# KiCad board J46Kx_Kicad.kicad_pcb
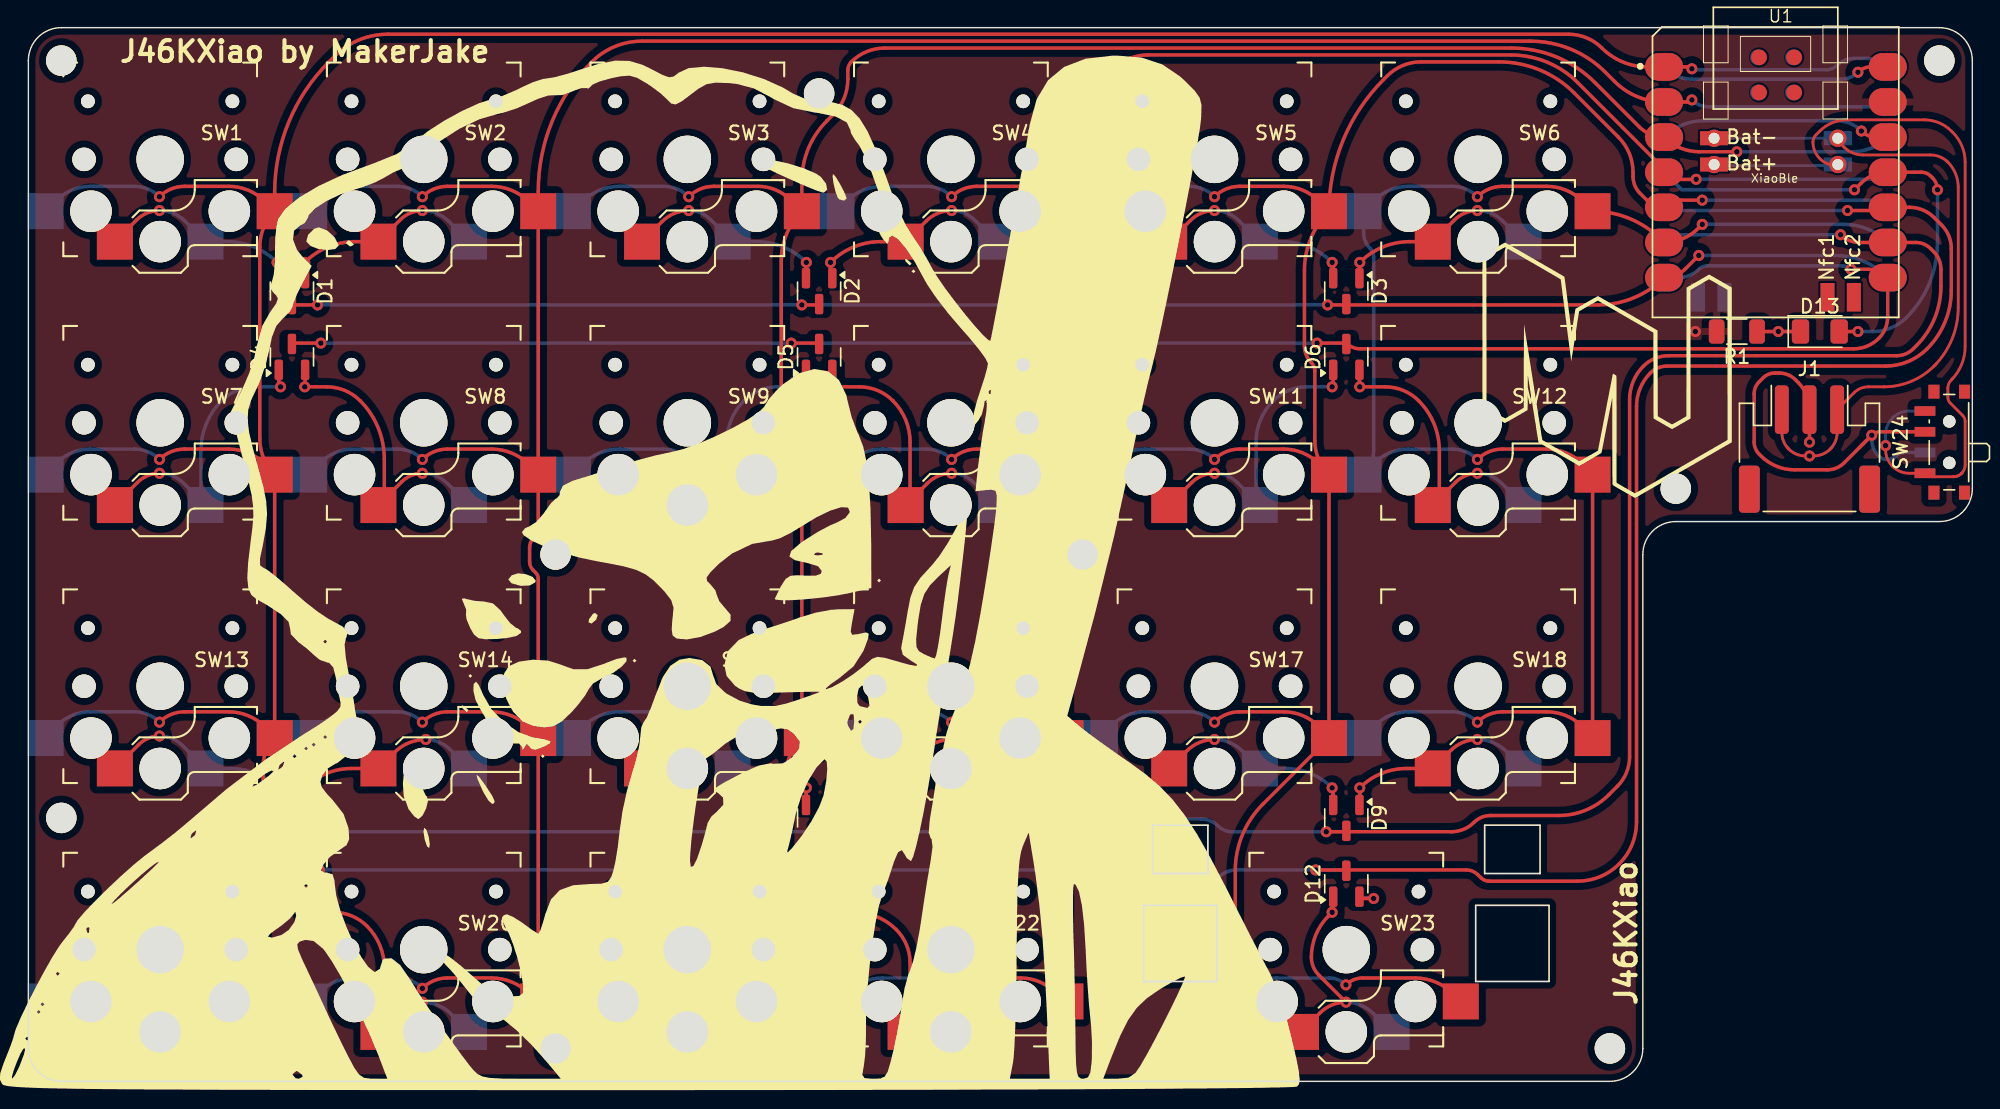
[diagram p0: board, top side]
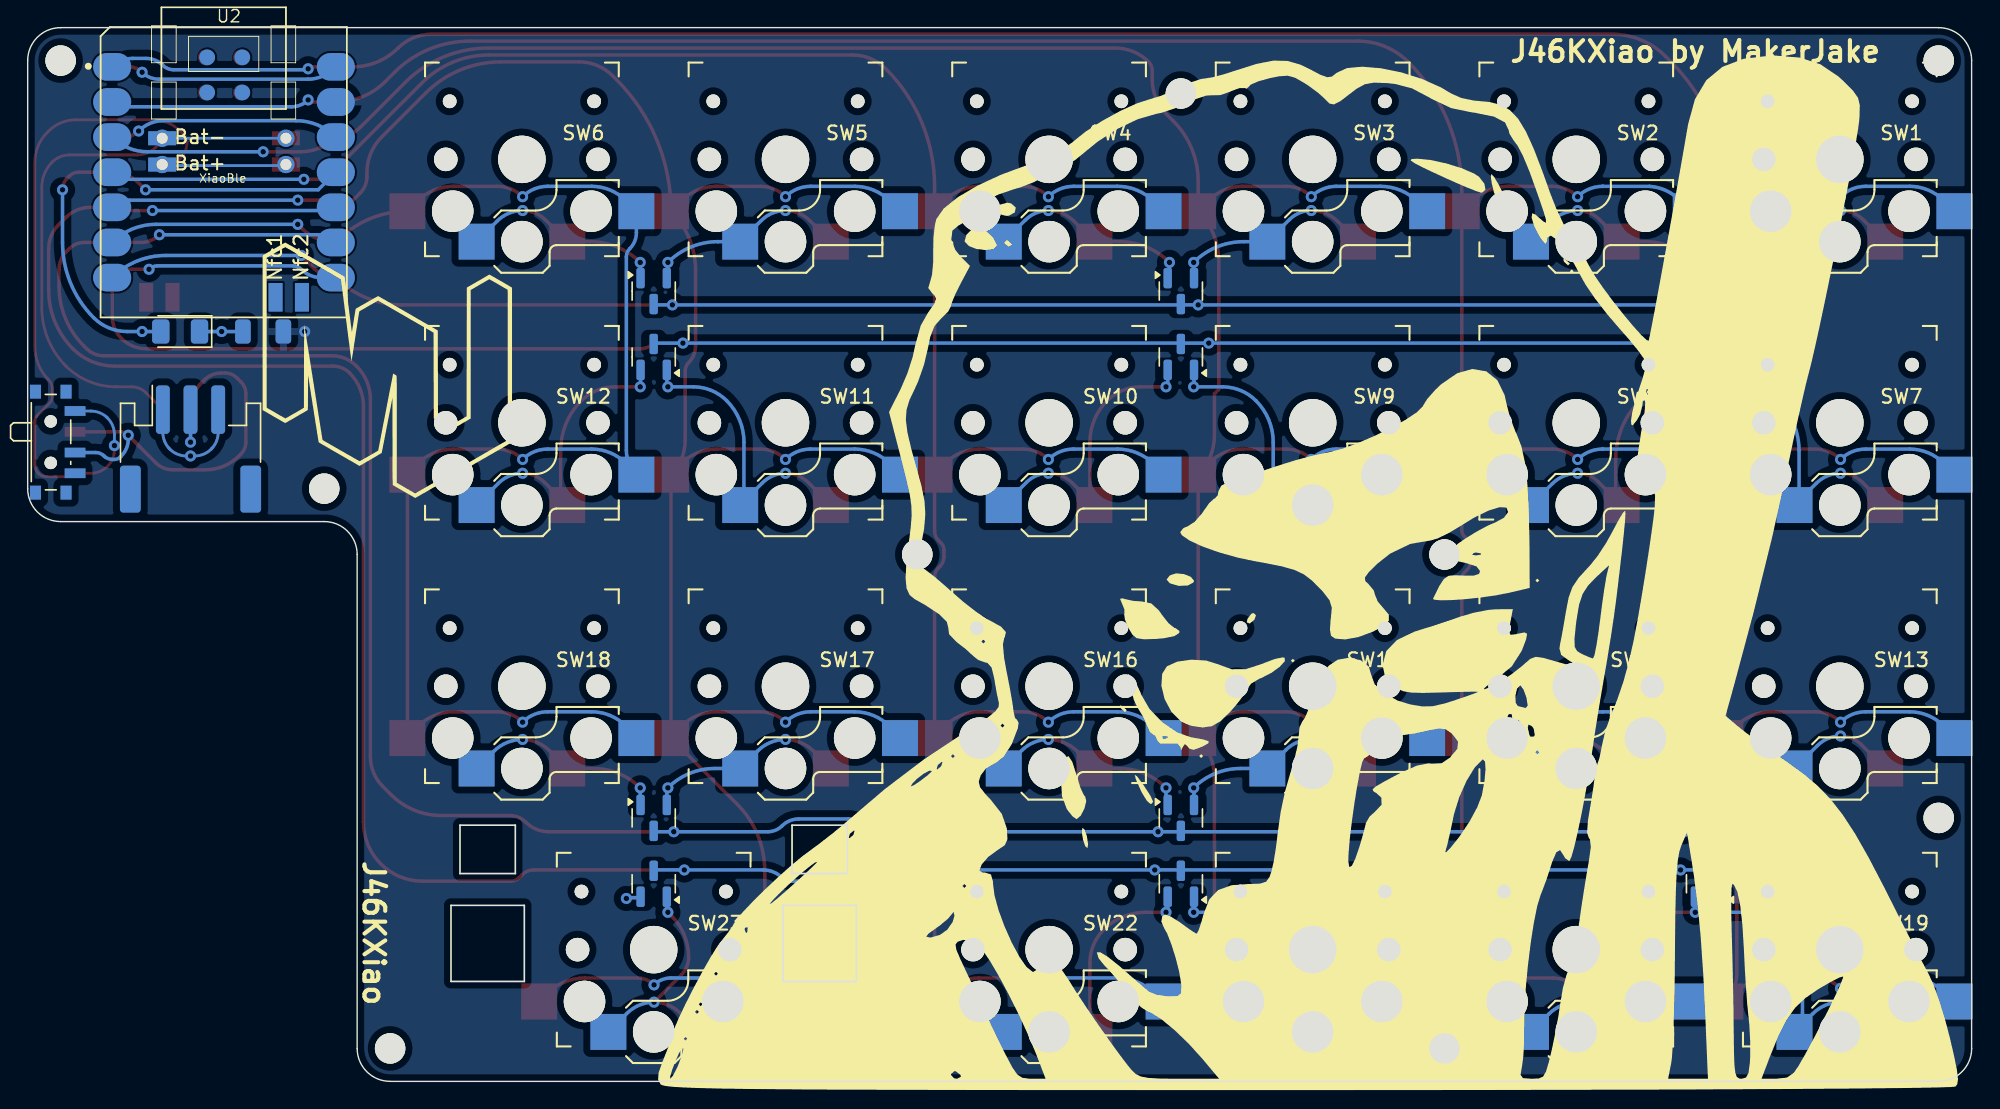
[diagram p1: board, bottom side, seen from below]

Outline 140.49 x 76.2 mm; copper layers: Top, Bottom. Coordinates in mm from the lower left corner of the outline.
Outline path: 0,73.82 0,2.38 arc(0.7,0.7) 2.38,0 114.3,0 arc(115.98,0.7) 116.68,2.38 116.68,38.1 arc(117.38,39.78) 119.06,40.48 138.11,40.48 arc(139.8,41.18) 140.49,42.86 140.49,73.82 arc(139.8,75.5) 138.11,76.2 2.38,76.2 arc(0.7,75.5) 0,73.82
Stack: Top 0.035mm / dielectric 1.51mm FR4 er 4.5 / Bottom 0.035mm

## Placement (name value [footprint] x y rotation side)
D1  BAV70  [SOT-23_Both_Sides]  19.05 57.15 270 top
D2  BAV70  [SOT-23_Both_Sides]  57.15 57.15 270 top
D3  BAV70  [SOT-23_Both_Sides]  95.25 57.15 270 top
D4  BAV70  [SOT-23_Both_Sides]  19.05 52.39 90 top
D5  BAV70  [SOT-23_Both_Sides]  57.15 52.39 90 top
D6  BAV70  [SOT-23_Both_Sides]  95.25 52.39 90 top
D7  BAV70  [SOT-23_Both_Sides]  19.05 19.05 270 top
D8  BAV70  [SOT-23_Both_Sides]  57.15 19.05 270 top
D9  BAV70  [SOT-23_Both_Sides]  95.25 19.05 270 top
D10  BAV70  [SOT-23_Both_Sides]  19.05 14.29 90 top
D11  BAV70  [SOT-23_Both_Sides]  57.15 14.29 90 top
D12  BAV70  [SOT-23_Both_Sides]  95.25 14.29 90 top
D13  LED  [LED_1206_3216Metric]  129.47 54.22 0 top
G***  LOGO  [NoliBat]  46.43 36.91 0 top
G***#2  LOGO  [MakerJakeLogo]  114.3 50.01 0 top
G***#3  LOGO  [NoliBat]  46.43 36.91 180 bottom
G***#4  LOGO  [MakerJakeLogo]  114.3 50.01 180 bottom
J1  Conn_01x03_Female  [JST_PH_S3B-PH-SM4-TB_1x03-1MP_P2.00mm_Horizontal]  128.72 45.72 0 top
Kailh PG1350  Choc  [Kailh-PG1350-2u-stab cutout]  95.25 9.52 0 top
R1  R_Small  [R_1206_3216Metric]  123.47 54.22 180 top
REF**  -  [MountingHole_2.2mm_M2_DIN965]  138.11 73.82 0 top
REF**#2  -  [MountingHole_2.2mm_M2_DIN965]  2.38 19.05 0 top
REF**#3  -  [MountingHole_2.2mm_M2_DIN965]  2.38 73.82 0 top
REF**#4  -  [MountingHole_2.2mm_M2_DIN965]  57.15 71.44 0 top
REF**#5  -  [MountingHole_2.2mm_M2_DIN965]  119.06 42.86 0 top
REF**#6  -  [MountingHole_2.2mm_M2_DIN965]  38.1 38.1 0 top
REF**#7  -  [MountingHole_2.2mm_M2_DIN965]  38.1 2.38 0 top
REF**#8  -  [MountingHole_2.2mm_M2_DIN965]  114.3 2.38 0 top
REF**#9  -  [MountingHole_2.2mm_M2_DIN965]  76.2 38.1 0 top
SW1  Switch_SW_Push  [Kailh_socket_PG1350_reversible]  9.53 66.67 0 top
SW2  Switch_SW_Push  [Kailh_socket_PG1350_reversible]  28.58 66.67 0 top
SW3  Switch_SW_Push  [Kailh_socket_PG1350_reversible]  47.62 66.67 0 top
SW4  Switch_SW_Push  [Kailh_socket_PG1350_reversible]  66.67 66.67 0 top
SW5  Switch_SW_Push  [Kailh_socket_PG1350_reversible]  85.72 66.67 0 top
SW6  Switch_SW_Push  [Kailh_socket_PG1350_reversible]  104.77 66.67 0 top
SW7  Switch_SW_Push  [Kailh_socket_PG1350_reversible]  9.53 47.62 0 top
SW8  Switch_SW_Push  [Kailh_socket_PG1350_reversible]  28.58 47.62 0 top
SW9  Switch_SW_Push  [Kailh_socket_PG1350_reversible]  47.62 47.62 0 top
SW10  Switch_SW_Push  [Kailh_socket_PG1350_reversible]  66.67 47.62 0 top
SW11  Switch_SW_Push  [Kailh_socket_PG1350_reversible]  85.72 47.62 0 top
SW12  Switch_SW_Push  [Kailh_socket_PG1350_reversible]  104.77 47.62 0 top
SW13  Switch_SW_Push  [Kailh_socket_PG1350_reversible]  9.53 28.57 0 top
SW14  Switch_SW_Push  [Kailh_socket_PG1350_reversible]  28.58 28.57 0 top
SW15  Switch_SW_Push  [Kailh_socket_PG1350_reversible]  47.62 28.57 0 top
SW16  Switch_SW_Push  [Kailh_socket_PG1350_reversible]  66.67 28.57 0 top
SW17  Switch_SW_Push  [Kailh_socket_PG1350_reversible]  85.72 28.57 0 top
SW18  Switch_SW_Push  [Kailh_socket_PG1350_reversible]  104.77 28.57 0 top
SW19  Switch_SW_Push  [Kailh_socket_PG1350_reversible]  9.53 9.52 0 top
SW20  Switch_SW_Push  [Kailh_socket_PG1350_reversible]  28.58 9.52 0 top
SW21  Switch_SW_Push  [Kailh_socket_PG1350_reversible]  47.62 9.52 0 top
SW22  Switch_SW_Push  [Kailh_socket_PG1350_reversible]  66.67 9.52 0 top
SW23  Switch_SW_Push  [Kailh_socket_PG1350_reversible]  95.25 9.52 0 top
SW24  SW_SPDT  [SW_SPDT_PCM12]  138.5 46.22 90 top
U1  XiaoBle  [XIAO_Ble]  126.21 65.72 0 top
U2  XiaoBle  [XIAO_Ble]  126.4 65.72 180 bottom

## Library data of the parts
D1-D12 = -: Datasheet: https://assets.nexperia.com/documents/data-sheet/BAV70_SER.pdf; ki_fp_filters: SOT?23*
D13 = -: ki_fp_filters: LED* LED_SMD:* LED_THT:*
J1 = -: ki_fp_filters: Connector*:*_1x??_*
R1 = -: ki_fp_filters: R_*

## Footprints (pads in the part's own frame, mm; a bottom-side part is the same pattern mirrored in y, then rotated)
JST_PH_S3B-PH-SM4-TB_1x03-1MP_P2.00mm_Horizontal
  rrect 1x3.5 smd: 1(-2,2.85) 2(0,2.85) 3(2,2.85)
  rrect 1x3.5 smd far side: 1(2,2.85) 2(0,2.85) 3(-2,2.85)
  rrect 1.5x3.4 smd: MP(-4.35,-2.9) MP(4.35,-2.9)
  rrect 1.5x3.4 smd far side: MP(-4.35,-2.9) MP(4.35,-2.9)
Kailh_socket_PG1350_reversible
  round 1.702 hole 1.702 unplated: (-5.5,0) (5.5,0)
  round 0.991 hole 0.991 unplated: (-5.22,4.2) (5.22,4.2)
  round 3 hole 3 unplated: (-5,-3.75) (0,-5.95) (5,-3.75)
  round 3.429 hole 3.429 unplated: (0,0)
  rect 2.6x2.6 smd: 1(-3.275,-5.95) 2(8.275,-3.75)
  rect 2.6x2.6 smd far side: 1(3.275,-5.95) 2(-8.275,-3.75)
LED_1206_3216Metric
  rrect 1.25x1.75 smd: 1(-1.4,0) 2(1.4,0)
  rrect 1.25x1.75 smd far side: 1(-1.4,0) 2(1.4,0)
MountingHole_2.2mm_M2_DIN965
  round 2.2 hole 2.2 unplated: (0,0)
R_1206_3216Metric
  rrect 1.125x1.75 smd: 1(-1.462,0) 2(1.462,0)
  rrect 1.125x1.75 smd far side: 1(-1.462,0) 2(1.462,0)
SOT-23_Both_Sides
  rrect 1.475x0.6 smd: 1(-0.938,0.95) 2(-0.938,-0.95) 3(0.938,0)
  rrect 1.475x0.6 smd far side: 1(-0.938,0.95) 2(-0.938,-0.95) 3(0.938,0)
SW_SPDT_PCM12
  rect 1x0.8 smd: (-3.65,0.78) (-3.65,-1.43) (3.65,0.78) (3.65,-1.43)
  rect 1x0.8 smd far side: (-3.65,0.78) (-3.65,-1.43) (3.65,0.78) (3.65,-1.43)
  round 0.9 hole 0.9 unplated: (-1.5,-0.33) (1.5,-0.33)
  rect 0.7x1.5 smd: 1(-2.25,1.43) 2(0.75,1.43) 3(2.25,1.43)
  rect 0.7x1.5 smd far side: 1(2.25,1.43) 2(-0.75,1.43) 3(-2.25,1.43)
XIAO_Ble
  oval 2.748x1.999 smd: 1(-7.992,7.64) 2(-7.992,5.1) 3(-7.992,2.56) 4(-7.992,0.02) 5(-7.992,-2.52) 6(-7.992,-5.06) 7(-7.992,-7.6) 8(8.172,7.64) 9(8.172,5.1) 10(8.172,2.56) 11(8.172,0.02) 12(8.172,-2.52) 13(8.172,-5.06) 14(8.172,-7.6)
  round 1.143 smd: 15(-1.126,5.787) 16(1.414,5.787) 17(-1.126,8.327) 18(1.414,8.327)
  rect 2.032x1.016 smd: 19(-4.375,2.478) 20(-4.375,0.578)
  round 1.25 hole 0.794: 19(-4.375,2.478) 20(-4.375,0.578)
  rect 1.016x2.064 smd: 21(3.82,-9.023) 22(5.725,-9.023)

## Nets
+3V3: U1.10 U2.10
+5V: U1.8 U2.8
GND: R1.2 U1.9 U2.9
Bat+: SW24.1 U1.20 U2.20
Bat-: J1.1 J1.3 U1.19 U2.19
Col0: SW1.2 SW7.2 SW13.2 SW19.2 U1.1 U2.1
Col1: SW2.2 SW8.2 SW14.2 SW20.2 U1.2 U2.2
Col2: SW3.2 SW9.2 SW15.2 SW21.2 U1.3 U2.3
Col3: SW4.2 SW10.2 SW16.2 SW22.2 U1.4 U2.4
Col4: SW5.2 SW11.2 SW17.2 SW23.2 U1.5 U2.5
Col5: SW6.2 SW12.2 SW18.2 U1.6 U2.6
Led?: D13.2 U1.11 U2.11
Row0: D1.3 D2.3 D3.3 U1.7 U2.7
Row1: D4.3 D5.3 D6.3 U1.14 U2.14
Row2: D7.3 D8.3 D9.3 U1.13 U2.13
Row3: D10.3 D11.3 D12.3 U1.12 U2.12
Net-(D1-A-Pad1): D1.1 SW2.1
Net-(D1-A-Pad2): D1.2 SW1.1
Net-(D2-A-Pad1): D2.1 SW4.1
Net-(D2-A-Pad2): D2.2 SW3.1
Net-(D3-A-Pad1): D3.1 SW6.1
Net-(D3-A-Pad2): D3.2 SW5.1
Net-(D4-A-Pad1): D4.1 SW7.1
Net-(D4-A-Pad2): D4.2 SW8.1
Net-(D5-A-Pad1): D5.1 SW9.1
Net-(D5-A-Pad2): D5.2 SW10.1
Net-(D6-A-Pad1): D6.1 SW11.1
Net-(D6-A-Pad2): D6.2 SW12.1
Net-(D7-A-Pad1): D7.1 SW14.1
Net-(D7-A-Pad2): D7.2 SW13.1
Net-(D8-A-Pad1): D8.1 SW16.1
Net-(D8-A-Pad2): D8.2 SW15.1
Net-(D9-A-Pad1): D9.1 SW18.1
Net-(D9-A-Pad2): D9.2 SW17.1
Net-(D10-A-Pad1): D10.1 SW19.1
Net-(D10-A-Pad2): D10.2 SW20.1
Net-(D11-A-Pad1): D11.1 SW21.1
Net-(D11-A-Pad2): D11.2 SW22.1
Net-(D12-A-Pad1): D12.1 SW23.1
Net-(D13-K): D13.1 R1.1
Net-(J1-Pin_2): J1.2 SW24.2

Pads without a net: D12 2; J1 MP; SW24 3; U1 15 16 17 18 21 22; U2 15 16 17 18 21 22

## Via types
v1: diameter 0.8, hole 0.4, Top to Bottom, 104 vias

## Routing (per net, layer and track width the routed paths; a pad name or vN(x,y) marks a point on that pad's centre or on a via; arc(x,y) is an arc through that point)
+3V3: length 16.8
  Top w0.25: U1.10 133.54,68.29 arc(132.96,68.4) v1(132.47,68.72)
  Bottom w0.25: U2.10 arc(119.54,69.17) 121.1,69.47 130.66,69.47 arc(131.64,69.28) v1(132.47,68.72)
+5V: length 16.6
  Top w0.25: U1.8 133.17,73.37 arc(132.66,73.26) v1(132.22,72.97)
  Bottom w0.25: U2.8 118.33,73.26 arc(119.2,72.68) 120.22,72.47 131.02,72.47 arc(131.67,72.6) v1(132.22,72.97)
GND:
  vias: v1(120.47,54.22)
Bat+: length 59.9
  Top w0.2: 130.72,66.22 130.68,66.22 arc(130.03,66.35) 129.47,66.72 arc(129.1,67.28) 128.97,67.93 arc(129.03,68.2) 129.18,68.43 129.47,68.72 arc(130.37,69.32) 131.43,69.53 137.02,69.53 arc(138.08,69.32) 138.97,68.72 139.09,68.61 arc(139.75,67.63) 139.97,66.47 139.97,53.14 arc(139.72,51.83) 138.97,50.72 ; 135.97,43.97 SW24.1 arc(137.35,43.79) 137.67,43.72 139.12,43.72 139.21,43.73 139.37,43.76 139.52,43.82 139.66,43.92 139.72,43.97 ; 139.72,43.97 139.78,44.04 ; 139.72,43.97 arc(139.91,44.25) 139.97,44.58 139.97,47.72 arc(139.93,47.96) 139.8,48.15 138.9,49.05 arc(138.77,49.24) 138.72,49.47 138.72,50.12 arc(138.79,50.45) 138.97,50.72 ; 139.11,50.86 138.97,50.72 ; 135.93,43.97 arc(135.28,44.1) 134.72,44.47 arc(134.35,45.03) 134.22,45.68
  Bottom w0.2: SW24.1 135.93,48.47 arc(135.28,48.35) 134.72,47.97 ; 121.97,66.22 130.72,66.22 ; v1(134.22,45.97) 134.22,46.77 arc(134.35,47.42) 134.72,47.97 ; 134.82,48.07 134.72,47.97
Bat-: length 60.1
  Top w0.2: 130.58,68.2 131.23,67.56 arc(131.85,67.14) 132.58,66.99 137.47,66.99 arc(138.15,66.86) 138.72,66.47 ; 137.89,51.89 137.72,51.72 ; 137.72,51.72 arc(139.02,53.66) 139.47,55.95 139.47,64.66 arc(139.28,65.64) 138.72,66.47 ; 137.72,51.72 arc(136.07,50.62) 134.11,50.23 ; J1.1 126.72,46.93 arc(126.85,46.28) 127.22,45.72 ; 127.13,45.82 127.22,45.72 ; 127.22,45.72 arc(127.78,45.35) 128.43,45.22 v1(128.72,45.22) 129.02,45.22 arc(129.67,45.35) 130.22,45.72 ; 134.11,50.22 134.11,50.23 ; 134.11,50.23 arc(134.11,50.23) 134.1,50.22 132.97,50.22 arc(132.42,50.11) 131.95,49.8 J1.1 130.72,46.93 arc(130.6,46.28) 130.22,45.72 ; 138.62,66.57 138.72,66.47 ; 130.32,45.82 130.22,45.72
  Bottom w0.2: 130.58,68.2 122.03,68.2 ; 130.32,45.82 130.22,45.72 ; 130.22,45.72 arc(130.6,46.28) 130.72,46.93 J1.1 ; 130.22,45.72 arc(129.67,45.35) 129.02,45.22 v1(128.72,45.22) 128.43,45.22 arc(127.78,45.35) 127.22,45.72 ; 127.13,45.82 127.22,45.72 ; 127.22,45.72 arc(126.85,46.28) 126.72,46.93 J1.1
Col0: length 256.9
  Top w0.25: 17.8,62.92 17.08,63.65 arc(15.88,64.44) 14.47,64.72 11.29,64.72 arc(10.31,64.53) v1(9.47,63.97) ; 17.8,62.92 17.8,64.25 arc(18.82,69.38) 21.73,73.72 22.13,74.13 arc(23.9,75.31) 25.98,75.72 111.31,75.72 arc(112.62,75.47) 113.72,74.72 arc(115.23,73.72) 117.01,73.37 U1.1 119.89,73.37 arc(120.07,73.33) v1(120.22,73.22) ; 17.8,62.92 arc(17,61.73) 16.73,60.33 16.73,46.47 arc(17,45.07) 17.8,43.87 17.8,24.82 arc(17.19,23.91) 16.98,22.83 16.98,7.77 arc(17.19,6.69) 17.8,5.77 ; 17.8,24.92 17.08,25.65 arc(15.88,26.44) 14.47,26.72 11.29,26.72 arc(10.31,26.53) v1(9.47,25.97) ; 17.8,43.92 17.08,44.65 arc(15.88,45.44) 14.47,45.72 11.29,45.72 arc(10.31,45.53) v1(9.47,44.97) ; 17.8,5.68 17.08,6.4 arc(15.88,7.2) 14.47,7.48 11.29,7.48 arc(10.31,7.28) v1(9.47,6.73)
  Bottom w0.25: 1.25,24.92 2.04,25.72 arc(3.16,26.46) 4.47,26.72 7.66,26.72 arc(8.64,26.53) v1(9.47,25.97) ; 1.25,43.92 2.04,44.72 arc(3.16,45.46) 4.47,45.72 7.66,45.72 arc(8.64,45.53) v1(9.47,44.97) ; SW1.2 2.04,63.72 arc(3.16,64.46) 4.47,64.72 7.66,64.72 arc(8.64,64.53) v1(9.47,63.97) ; 1.25,5.68 2.04,6.47 arc(3.16,7.21) 4.47,7.48 7.66,7.48 arc(8.64,7.28) v1(9.47,6.73) ; v1(120.22,73.22) 120.29,73.16 129.95,73.16 arc(130.37,73.24) 130.72,73.47 arc(131.28,73.85) 131.93,73.97 132.92,73.97 arc(133.71,73.82) U2.1
Col1: length 237.5
  Top w0.25: SW2.2 36.85,64.37 arc(37.86,69.43) 40.73,73.72 arc(42.39,74.84) 44.35,75.22 108.54,75.22 arc(111.48,74.64) 113.97,72.97 114.65,72.3 arc(116.28,71.21) U1.2 119.86,70.83 arc(120.06,70.86) v1(120.22,70.97) ; SW2.2 36.16,63.61 arc(34.93,64.44) 33.48,64.72 30.29,64.72 arc(29.31,64.53) v1(28.48,63.97) ; SW2.2 36.85,39.85 arc(36.8,39.62) 36.67,39.42 36.48,39.22 arc(36.29,38.95) 36.23,38.62 36.23,37.58 arc(36.29,37.25) 36.48,36.97 36.67,36.78 arc(36.8,36.58) 36.85,36.35 SW20.2 ; 36.85,24.92 36.16,25.61 arc(34.93,26.44) 33.48,26.72 30.29,26.72 arc(29.31,26.53) v1(28.48,25.97) ; 36.85,5.68 36.16,6.36 arc(34.93,7.19) 33.48,7.48 30.29,7.48 arc(29.31,7.28) v1(28.48,6.73) ; 36.85,43.92 36.16,44.61 arc(34.93,45.44) 33.48,45.72 30.29,45.72 arc(29.31,45.53) v1(28.48,44.97)
  Bottom w0.25: 20.3,24.92 21.13,25.75 arc(22.12,26.44) 23.29,26.72 26.66,26.72 26.66,26.72 arc(27.64,26.53) v1(28.48,25.97) ; 20.3,5.68 21.13,6.5 arc(22.12,7.19) 23.29,7.47 26.66,7.47 26.66,7.48 arc(27.64,7.28) v1(28.48,6.73) ; 20.3,43.92 21.13,44.75 arc(22.12,45.44) 23.29,45.72 26.66,45.72 26.66,45.72 arc(27.64,45.53) v1(28.48,44.97) ; 20.3,62.92 21.13,63.75 arc(22.12,64.44) 23.29,64.72 26.66,64.72 26.66,64.72 arc(27.64,64.53) v1(28.48,63.97) ; v1(120.22,70.97) arc(120.78,70.6) 121.43,70.47 133.54,70.47 arc(134,70.57) U2.2
Col2: length 220.9
  Top w0.25: 55.9,24.92 55.07,25.75 arc(54,26.47) 52.73,26.72 49.54,26.72 arc(48.56,26.53) v1(47.73,25.97) ; v1(123.47,67.22) 120.77,67.22 arc(119.39,67.5) U1.3 arc(117.24,68.48) 116.42,69.03 113.22,72.22 arc(110.46,74.08) 107.19,74.72 61.89,74.72 arc(60.58,74.47) 59.48,73.72 arc(59.29,73.45) 59.23,73.12 59.23,72.47 arc(58.95,71.09) 58.16,69.91 57.71,69.46 arc(56.37,67.46) 55.9,65.09 SW3.2 ; SW3.2 55.07,63.75 arc(54,64.47) 52.73,64.72 49.54,64.72 arc(48.56,64.53) v1(47.73,63.97) ; SW3.2 arc(54.8,61.28) 54.41,59.34 54.41,50.04 54.73,49.72 54.73,46.71 arc(55.03,45.18) SW9.2 SW15.2 arc(55.03,23.52) 54.73,21.99 54.73,8.61 arc(55.03,7.08) SW21.2 ; 55.9,5.68 55.07,6.5 arc(54,7.22) 52.73,7.48 49.54,7.48 arc(48.56,7.28) v1(47.73,6.73) ; 55.9,43.92 55.07,44.75 arc(54,45.47) 52.73,45.72 49.54,45.72 arc(48.56,45.53) v1(47.73,44.97)
  Bottom w0.25: SW3.2 40.04,63.61 arc(41.27,64.44) 42.73,64.72 45.91,64.72 arc(46.89,64.53) v1(47.73,63.97) ; v1(123.47,67.22) 131.83,67.22 arc(133.22,67.5) U2.3 ; 39.35,43.92 40.04,44.61 arc(41.27,45.44) 42.73,45.72 45.91,45.72 arc(46.89,45.53) v1(47.73,44.97) ; 39.35,5.68 40.04,6.36 arc(41.27,7.19) 42.73,7.48 45.91,7.48 arc(46.89,7.28) v1(47.73,6.73) ; 39.35,24.92 40.04,25.61 arc(41.27,26.44) 42.73,26.72 45.91,26.72 arc(46.89,26.53) v1(47.73,25.97)
Col3: length 200.9
  Top w0.25: v1(120.53,65.23) 120.53,65.23 119.33,65.23 arc(118.73,65.39) U1.4 arc(118.17,65.97) 118.04,66.16 111.97,72.22 arc(109.76,73.71) 107.15,74.22 80.89,74.22 arc(79.58,73.97) 78.47,73.22 arc(75.87,69.32) 74.95,64.71 SW4.2 ; 74.95,43.92 74.16,44.72 arc(73.04,45.46) 71.72,45.72 68.54,45.72 arc(67.56,45.53) v1(66.72,44.97) ; 74.95,5.68 74.16,6.47 arc(73.04,7.21) 71.72,7.48 67.33,7.48 arc(67,7.41) v1(66.72,7.22) ; SW4.2 74.95,39.8 arc(74.88,39.43) 74.67,39.12 74.47,38.92 arc(74.33,38.7) 74.27,38.44 74.27,37.92 arc(74.35,37.56) 74.56,37.24 74.67,37.12 arc(74.88,36.82) 74.95,36.46 SW22.2 ; SW4.2 74.16,63.72 arc(73.04,64.46) 71.72,64.72 68.54,64.72 arc(67.56,64.53) v1(66.72,63.97) ; 74.95,24.92 74.16,25.72 arc(73.04,26.46) 71.72,26.72 68.54,26.72 arc(67.56,26.53) v1(66.72,25.97)
  Bottom w0.25: 58.4,24.92 59.12,25.65 arc(60.32,26.44) 61.73,26.72 64.91,26.72 arc(65.89,26.53) v1(66.72,25.97) ; 58.4,5.68 59.12,6.4 arc(60.32,7.2) 61.73,7.48 66.12,7.48 arc(66.45,7.41) v1(66.72,7.22) ; SW4.2 59.12,63.65 arc(60.32,64.44) 61.73,64.72 64.91,64.72 arc(65.89,64.53) v1(66.72,63.97) ; v1(120.53,65.23) 133.15,65.23 arc(133.82,65.37) U2.4 ; 58.4,43.92 59.12,44.65 arc(60.32,45.44) 61.73,45.72 64.91,45.72 arc(65.89,45.53) v1(66.72,44.97)
Col4: length 185.9
  Top w0.25: SW5.2 93.24,63.68 arc(92.09,64.45) 90.72,64.72 87.54,64.72 arc(86.56,64.53) v1(85.72,63.97) ; SW5.2 arc(95.02,68.08) 97.94,72.44 98.22,72.72 arc(99.33,73.47) 100.64,73.72 106.29,73.72 arc(109.23,73.14) 111.72,71.47 114.91,68.29 arc(115.7,67.11) 115.97,65.72 115.97,65.43 arc(116.1,64.78) 116.47,64.22 116.99,63.71 arc(117.55,63.34) U1.5 arc(118.79,63.59) 119.47,63.72 v1(120.97,63.72) ; SW5.2 arc(92.69,60.96) 92.22,58.64 92.22,53.18 arc(92.35,52.53) 92.72,51.97 arc(92.91,51.7) 92.97,51.37 92.97,46.35 arc(93.24,45.01) SW11.2 SW17.2 89.22,20.05 arc(87.74,17.83) 87.22,15.22 87.22,6.38 arc(87.16,6.05) v1(86.97,5.77) ; 94,43.92 93.24,44.68 arc(92.09,45.45) 90.72,45.72 87.54,45.72 arc(86.56,45.53) v1(85.72,44.97) ; SW23.2 102.96,6.34 arc(101.7,7.18) 100.22,7.47 96.43,7.47 arc(95.78,7.35) v1(95.22,6.97) ; 94,24.92 93.24,25.68 arc(92.09,26.45) 90.72,26.72 87.54,26.72 arc(86.56,26.53) v1(85.72,25.97)
  Bottom w0.25: 77.45,24.92 78.21,25.68 arc(79.36,26.45) 80.72,26.72 83.91,26.72 arc(84.89,26.53) v1(85.72,25.97) ; SW5.2 78.21,63.68 arc(79.36,64.45) 80.72,64.72 83.91,64.72 arc(84.89,64.53) v1(85.72,63.97) ; v1(120.97,63.72) 133.13,63.72 arc(133.81,63.59) U2.5 ; v1(86.97,5.77) 87.58,6.38 arc(88.79,7.19) 90.22,7.47 94.02,7.47 arc(94.67,7.35) v1(95.22,6.97) ; 77.45,43.92 78.21,44.68 arc(79.36,45.45) 80.72,45.72 83.91,45.72 arc(84.89,45.53) v1(85.72,44.97)
Col5: length 115.8
  Top w0.25: 113.05,24.92 112.33,25.65 arc(111.13,26.44) 109.72,26.72 106.54,26.72 arc(105.56,26.53) v1(104.72,25.97) ; SW18.2 113.05,44.05 ; 113.05,43.92 112.33,44.65 arc(111.13,45.44) 109.72,45.72 106.54,45.72 arc(105.56,45.53) v1(104.72,44.97) ; v1(120.97,61.97) 120.69,61.69 arc(119.55,60.93) U1.6 118.01,60.87 arc(115.73,62.39) SW6.2 112.33,63.65 arc(111.13,64.44) 109.72,64.72 106.54,64.72 arc(105.56,64.53) v1(104.72,63.97)
  Bottom w0.25: 96.5,43.92 97.29,44.72 arc(98.41,45.46) 99.72,45.72 102.91,45.72 arc(103.89,45.53) v1(104.72,44.97) ; 96.5,24.92 97.29,25.72 arc(98.41,26.46) 99.72,26.72 102.91,26.72 arc(103.89,26.53) v1(104.72,25.97) ; v1(120.97,61.97) 131.23,61.97 arc(132.94,61.63) U2.6 ; SW12.2 arc(97.04,44.68) 97.22,45.63 97.22,59.62 arc(97.16,59.95) 96.97,60.22 arc(96.62,60.75) 96.5,61.37 SW6.2 97.29,63.72 arc(98.41,64.46) 99.72,64.72 102.91,64.72 arc(103.89,64.53) v1(104.72,63.97)
Led?: length 37.7
  Top w0.25: v1(132.22,54.22) D13.2 ; v1(131.97,64.47) 132.44,64.94 arc(133.33,65.54) U1.11 136.82,65.75 arc(137.18,65.68) 137.47,65.47 137.62,65.33 arc(137.88,64.94) v1(137.97,64.47)
  Bottom w0.25: D13.2 v1(132.22,54.22) 133.31,54.22 arc(134.62,54.48) 135.72,55.22 arc(137.39,57.72) 137.97,60.66 v1(137.97,64.47) ; U2.11 119.5,64.47 v1(131.97,64.47)
Row0: length 121.3
  Top w0.25: v1(93.9,56.15) 113.45,56.15 arc(116.03,56.66) U1.7 arc(119.06,58.29) 119.77,58.77 v1(120.72,59.72) ; v1(55.9,56.15) 57.15,56.15 ; 19.05,56.15 v1(20.9,56.15)
  Bottom w0.25: 19.05,56.15 v1(20.9,56.15) v1(55.9,56.15) v1(93.9,56.15) 95.25,56.15 ; v1(120.72,59.72) 130.53,59.72 arc(132.62,59.31) U2.7
Row1: length 142.4
  Top w0.25: v1(55.14,53.39) 57.15,53.39 ; v1(93.14,53.39) 95.25,53.39 arc(95.71,53.08) 96.25,52.97 131.91,52.97 arc(132.89,53.17) 133.72,53.72 arc(134.21,54.45) 134.38,55.3 U1.14 arc(133.71,58.57) 132.93,58.72 v1(131.72,58.72) ; 19.05,53.39 v1(21.14,53.39)
  Bottom w0.25: U2.14 119.28,58.13 arc(120.06,58.28) 120.72,58.72 arc(121,58.91) 121.33,58.97 131.12,58.97 arc(131.45,58.91) v1(131.72,58.72) ; 19.05,53.39 v1(21.14,53.39) v1(55.14,53.39) v1(93.14,53.39) 95.25,53.39
Row2: length 180.6
  Top w0.25: 19.05,18.05 v1(20.8,18.05) ; v1(93.8,18.05) 102.85,18.05 arc(103.73,18.23) 104.47,18.72 arc(105.03,19.1) 105.68,19.22 110.6,19.22 arc(112.56,19.61) 114.22,20.72 114.84,21.34 arc(115.5,22.32) 115.72,23.47 115.72,49.31 arc(115.98,50.62) 116.72,51.72 arc(117.56,52.28) 118.54,52.47 135.02,52.47 arc(135.67,52.6) 136.22,52.97 136.44,53.19 arc(137.76,55.17) 138.22,57.49 138.22,58.72 arc(138.09,59.42) 137.69,60.01 137.47,60.22 arc(136.99,60.55) 136.41,60.67 U1.13 132.33,60.67 arc(131.59,60.81) v1(130.97,61.22) ; 57.15,18.05 v1(58.8,18.05)
  Bottom w0.25: v1(130.97,61.22) 119.58,61.22 arc(118.84,61.08) U2.13 ; 19.05,18.05 v1(20.8,18.05) v1(58.8,18.05) 79.05,18.05 arc(79.51,18.14) 79.9,18.4 79.97,18.47 arc(80.53,18.85) 81.18,18.97 84.77,18.97 arc(85.42,18.85) 85.97,18.47 arc(86.45,18.16) 87,18.05 v1(93.8,18.05) 95.25,18.05
Row3: length 189.8
  Top w0.25: v1(93.04,15.29) 103.91,15.29 arc(104.37,15.2) 104.77,14.93 104.97,14.72 arc(105.25,14.54) 105.58,14.47 111.96,14.47 arc(113.59,14.8) 114.97,15.72 arc(115.9,17.11) 116.22,18.74 116.22,48.81 arc(116.48,50.12) 117.22,51.22 arc(117.78,51.6) 118.43,51.72 134.21,51.72 arc(135.84,52.05) 137.22,52.97 arc(138.52,54.91) 138.97,57.2 138.97,60.22 arc(138.79,61.15) 138.27,61.93 137.72,62.47 arc(136.92,63.02) 135.96,63.21 U1.12 arc(134.12,63.03) 133.82,62.97 v1(131.47,62.97) ; 57.15,15.29 v1(59.04,15.29) ; 19.05,15.29 v1(21.04,15.29)
  Bottom w0.25: 95.25,15.29 v1(93.04,15.29) 87.33,15.29 arc(86.6,15.14) 85.97,14.72 arc(85.7,14.54) 85.37,14.47 81.68,14.47 arc(81.03,14.6) 80.47,14.97 arc(80.13,15.21) 79.72,15.29 v1(59.04,15.29) v1(21.04,15.29) 19.05,15.29 ; v1(131.47,62.97) 118.78,62.97 arc(118.48,63.03) U2.12
Net-(D1-A-Pad1): length 16.1
  Top w0.25: 20,58.15 arc(19.98,58.18) 19.98,58.21 v1(19.98,59.22) arc(21.64,60.34) 23.6,60.72 SW2.1 26.9,62.32 arc(27.62,62.81) v1(28.48,62.97)
  Bottom w0.25: SW2.1 30.4,62.18 arc(29.51,62.77) v1(28.48,62.97) ; v1(19.98,59.22) 19.98,58.21 arc(19.98,58.18) 20,58.15
Net-(D1-A-Pad2): length 16
  Top w0.25: SW1.1 7.81,62.29 arc(8.57,62.8) v1(9.47,62.97) ; v1(17.98,59.22) 17.98,58.45 arc(18.01,58.29) 18.1,58.15
  Bottom w0.25: v1(9.47,62.97) arc(10.47,62.78) 11.31,62.21 SW1.1 14.35,60.72 arc(16.31,60.34) v1(17.98,59.22) 17.98,58.45 arc(18.01,58.29) 18.1,58.15
Net-(D2-A-Pad1): length 16.2
  Top w0.25: v1(66.72,62.97) arc(65.73,62.78) 64.89,62.21 SW4.1 61.6,60.72 arc(59.64,60.34) v1(57.98,59.22) 57.98,58.45 arc(58.01,58.29) 58.1,58.15
  Bottom w0.25: v1(57.98,59.22) 57.98,58.45 arc(58.01,58.29) 58.1,58.15 ; SW4.1 68.39,62.29 arc(67.63,62.8) v1(66.72,62.97)
Net-(D2-A-Pad2): length 16.1
  Top w0.25: SW3.1 45.8,62.18 arc(46.69,62.77) v1(47.73,62.97) ; 56.2,58.15 56.2,59.16 arc(56.21,59.2) v1(56.23,59.22)
  Bottom w0.25: v1(47.73,62.97) arc(48.58,62.81) 49.3,62.32 SW3.1 52.6,60.72 arc(54.56,60.34) v1(56.23,59.22) 56.23,58.21 arc(56.22,58.18) 56.2,58.15
Net-(D3-A-Pad1): length 16
  Top w0.25: 96.2,58.15 arc(96.22,58.18) 96.22,58.21 v1(96.22,59.22) arc(97.89,60.34) 99.85,60.72 SW6.1 103.06,62.29 arc(103.82,62.8) v1(104.72,62.97)
  Bottom w0.25: SW6.1 106.56,62.21 arc(105.72,62.78) v1(104.72,62.97) ; v1(96.22,59.22) 96.22,58.21 arc(96.22,58.18) 96.2,58.15
Net-(D3-A-Pad2): length 16
  Top w0.25: 94.3,58.15 94.3,59.04 arc(94.28,59.14) v1(94.22,59.22) ; SW5.1 83.98,62.25 arc(84.78,62.79) v1(85.72,62.97)
  Bottom w0.25: v1(85.72,62.97) arc(86.67,62.79) 87.47,62.25 SW5.1 90.6,60.72 arc(92.56,60.34) v1(94.22,59.22) 94.22,58.33 arc(94.24,58.23) 94.3,58.15
Net-(D4-A-Pad1): length 23.2
  Top w0.25: 18.1,51.39 18.1,50.53 arc(18.13,50.36) v1(18.23,50.22) ; SW7.1 7.9,43.32 arc(8.62,43.81) v1(9.47,43.97)
  Bottom w0.25: 18.1,51.39 18.1,50.53 arc(18.13,50.36) v1(18.23,50.22) 16.39,50.22 arc(15.08,49.97) 13.97,49.22 arc(12.86,47.56) 12.47,45.6 12.47,42.46 arc(12.56,42.03) SW7.1 11.22,43.25 arc(10.42,43.79) v1(9.47,43.97)
Net-(D4-A-Pad2): length 23
  Top w0.25: 20,51.39 20,50.29 arc(19.99,50.25) v1(19.98,50.22) 21.56,50.22 arc(22.87,49.97) 23.98,49.22 arc(25.27,47.29) 25.73,45 25.73,42.7 arc(25.61,42.15) SW8.1 26.98,43.36 arc(27.67,43.81) v1(28.48,43.97)
  Bottom w0.25: SW8.1 30.31,43.21 arc(29.47,43.78) v1(28.48,43.97) ; 20,51.39 20,50.29 arc(19.99,50.25) v1(19.98,50.22)
Net-(D5-A-Pad1): length 23.4
  Top w0.25: 56.2,51.39 56.2,50.29 arc(56.21,50.25) v1(56.23,50.22) ; SW9.1 46.07,43.39 arc(46.71,43.82) v1(47.48,43.97)
  Bottom w0.25: 56.2,51.39 56.2,50.29 arc(56.21,50.25) v1(56.23,50.22) 54.14,50.22 arc(52.83,49.97) 51.73,49.22 arc(50.8,47.84) 50.48,46.21 50.48,42.7 arc(50.59,42.15) SW9.1 49.4,43.18 arc(48.51,43.77) v1(47.48,43.97)
Net-(D5-A-Pad2): length 23.1
  Top w0.25: 58.1,51.39 58.1,50.53 arc(58.13,50.36) v1(58.23,50.22) 60.06,50.22 arc(61.37,49.97) 62.48,49.22 62.49,49.21 arc(63.4,47.84) 63.73,46.22 63.73,42.46 arc(63.64,42.03) SW10.1 64.98,43.25 arc(65.78,43.79) v1(66.72,43.97)
  Bottom w0.25: SW10.1 68.3,43.32 arc(67.58,43.81) v1(66.72,43.97) ; 58.1,51.39 58.1,50.53 arc(58.13,50.36) v1(58.23,50.22)
Net-(D6-A-Pad1): length 23.1
  Top w0.25: 94.3,51.39 94.3,50.41 arc(94.28,50.31) v1(94.22,50.22) ; SW11.1 84.06,43.29 arc(84.82,43.8) v1(85.72,43.97)
  Bottom w0.25: 94.3,51.39 94.3,50.41 arc(94.28,50.31) v1(94.22,50.22) 92.39,50.22 arc(91.08,49.97) 89.97,49.22 arc(89.05,47.84) 88.72,46.21 88.72,42.34 arc(88.8,41.98) SW11.1 87.39,43.29 arc(86.63,43.8) v1(85.72,43.97)
Net-(D6-A-Pad2): length 23.2
  Top w0.25: 96.2,51.39 96.2,50.29 arc(96.21,50.25) v1(96.22,50.22) 98.06,50.22 arc(99.37,49.97) 100.47,49.22 arc(101.59,47.56) 101.97,45.6 101.97,42.82 arc(101.85,42.2) SW12.1 103.15,43.32 arc(103.87,43.81) v1(104.72,43.97)
  Bottom w0.25: SW12.1 106.47,43.25 arc(105.67,43.79) v1(104.72,43.97) ; 96.2,51.39 96.2,50.29 arc(96.21,50.25) v1(96.22,50.22)
Net-(D7-A-Pad1): length 16.1
  Top w0.25: 20,20.05 arc(19.98,20.08) 19.98,20.11 v1(19.98,21.22) arc(21.53,22.26) 23.35,22.62 SW14.1 26.46,23.79 arc(27.5,24.48) v1(28.73,24.72)
  Bottom w0.25: v1(19.98,21.22) 19.98,20.11 arc(19.98,20.08) 20,20.05 ; SW14.1 30.47,24 arc(29.67,24.54) v1(28.73,24.72)
Net-(D7-A-Pad2): length 16.3
  Top w0.25: SW13.1 7.98,24.36 arc(8.67,24.81) v1(9.47,24.97) ; 18.1,20.05 18.1,20.92 arc(18.07,21.09) v1(17.98,21.22)
  Bottom w0.25: 18.1,20.05 arc(18.01,20.19) 17.98,20.35 v1(17.98,21.22) arc(16.42,22.26) 14.6,22.62 SW13.1 11.14,24.29 arc(10.38,24.8) v1(9.47,24.97)
Net-(D8-A-Pad1): length 16
  Top w0.25: 58.1,20.05 arc(58.19,20.19) 58.23,20.35 v1(58.23,21.22) arc(59.78,22.26) 61.6,22.62 SW16.1 64.63,23.86 arc(65.59,24.5) v1(66.72,24.72)
  Bottom w0.25: SW16.1 68.65,23.93 arc(67.76,24.52) v1(66.72,24.72) ; v1(58.23,21.22) 58.23,20.35 arc(58.19,20.19) 58.1,20.05
Net-(D8-A-Pad2): length 16.1
  Top w0.25: SW15.1 45.55,23.82 arc(46.55,24.49) v1(47.73,24.72) ; v1(56.23,21.22) 56.23,20.11 arc(56.22,20.08) 56.2,20.05
  Bottom w0.25: 56.2,20.05 56.2,21.16 arc(56.21,21.2) v1(56.23,21.22) arc(54.67,22.26) 52.85,22.62 SW15.1 49.56,23.96 arc(48.72,24.53) v1(47.73,24.72)
Net-(D9-A-Pad1): length 16.1
  Top w0.25: v1(104.72,24.72) arc(103.69,24.52) 102.8,23.93 SW18.1 99.6,22.62 arc(97.78,22.26) v1(96.22,21.22) 96.22,20.11 arc(96.22,20.08) 96.2,20.05
  Bottom w0.25: SW18.1 106.82,23.86 arc(105.86,24.5) v1(104.72,24.72) ; v1(96.22,21.22) 96.22,20.11 arc(96.22,20.08) 96.2,20.05
Net-(D9-A-Pad2): length 16
  Top w0.25: SW17.1 83.72,23.89 arc(84.64,24.51) v1(85.72,24.72) ; 94.3,20.05 94.3,21.04 arc(94.28,21.14) v1(94.22,21.22)
  Bottom w0.25: 94.3,20.05 94.3,21.04 arc(94.28,21.14) v1(94.22,21.22) arc(92.67,22.26) 90.85,22.62 SW17.1 87.73,23.89 arc(86.81,24.51) v1(85.72,24.72)
Net-(D10-A-Pad1): length 23.1
  Top w0.25: SW19.1 7.64,4.96 arc(8.48,5.53) v1(9.47,5.72) ; 18.1,13.29 18.1,12.53 arc(18.07,12.36) v1(17.98,12.22)
  Bottom w0.25: 18.1,13.29 18.1,12.53 arc(18.07,12.36) v1(17.98,12.22) 16.14,12.22 arc(14.83,11.97) 13.72,11.22 13.29,10.79 arc(12.5,9.61) 12.22,8.22 12.22,4.96 arc(12.37,4.21) SW19.1 11.48,4.89 arc(10.56,5.51) v1(9.47,5.72)
Net-(D10-A-Pad2): length 23.1
  Top w0.25: 20,13.29 20,12.29 arc(19.99,12.25) v1(19.98,12.22) 22.06,12.22 arc(23.37,11.97) 24.48,11.22 arc(25.4,9.84) 25.73,8.21 25.73,4.6 arc(25.61,4.05) SW20.1 26.73,5 arc(27.53,5.54) v1(28.48,5.72)
  Bottom w0.25: 20,13.29 20,12.29 arc(19.99,12.25) v1(19.98,12.22) ; SW20.1 30.57,4.86 arc(29.61,5.5) v1(28.48,5.72)
Net-(D11-A-Pad1): length 22.7
  Top w0.25: 56.2,13.29 56.2,12.29 arc(56.21,12.25) v1(56.23,12.22) ; SW21.1 45.63,4.86 arc(46.59,5.5) v1(47.73,5.72)
  Bottom w0.25: 56.2,13.29 56.2,12.29 arc(56.21,12.25) v1(56.23,12.22) 55.35,12.22 arc(53.39,11.84) 51.73,10.72 arc(50.8,9.34) 50.48,7.71 50.48,4.6 arc(50.59,4.05) SW21.1 49.47,5 arc(48.67,5.54) v1(47.73,5.72)
Net-(D11-A-Pad2): length 23.1
  Top w0.25: 58.1,13.29 58.1,12.53 arc(58.13,12.36) v1(58.23,12.22) 59.71,12.22 arc(61.34,11.9) 62.73,10.97 arc(63.47,9.87) 63.73,8.56 63.73,4.36 arc(63.64,3.93) SW22.1 65.15,5.32 arc(65.87,5.81) v1(66.72,5.97)
  Bottom w0.25: 58.1,13.29 58.1,12.53 arc(58.13,12.36) v1(58.23,12.22) ; SW22.1 68.13,5.39 arc(67.49,5.82) v1(66.72,5.97)
Net-(D12-A-Pad1): length 18.2
  Top w0.25: SW23.1 93.35,4.95 arc(94.21,5.52) v1(95.22,5.72) 93.26,7.69 arc(92.86,8.28) 92.72,8.97 arc(93.05,10.59) 93.96,11.96 v1(94.22,12.22) arc(94.28,12.31) 94.3,12.41 94.3,13.29
  Bottom w0.25: 94.3,13.29 94.3,12.41 arc(94.28,12.31) v1(94.22,12.22) ; SW23.1 97.19,4.91 arc(96.29,5.51) v1(95.22,5.72)
Net-(D13-K): length 6.3
  Top w0.25: D13.1 R1.1
  Bottom w0.25: R1.1 v1(126.47,54.22) D13.1
Net-(J1-Pin_2): length 35.5
  Top w0.25: v1(133.22,46.72) 131.22,44.72 arc(130.67,44.35) 130.02,44.22 127.64,44.22 arc(126.33,44.48) 125.22,45.22 125.08,45.37 arc(124.82,45.76) 124.72,46.22 124.72,49.72 arc(124.82,50.19) 125.08,50.58 125.37,50.87 arc(125.76,51.13) 126.22,51.22 126.52,51.22 arc(127.17,51.1) 127.72,50.72 127.91,50.54 arc(128.51,49.64) J1.2 v1(128.72,46.22) ; v1(133.22,46.72) 132.34,45.84 ; v1(133.22,46.72) arc(133.5,46.91) 133.83,46.97 SW24.2
  Bottom w0.25: 135.04,45.28 134.91,45.17 ; SW24.2 135.58,45.47 arc(135.25,45.41) 134.97,45.22 arc(134.7,45.04) 134.37,44.97 134.22,44.97 arc(133.99,45.02) 133.8,45.15 133.72,45.22 arc(133.35,45.78) 133.22,46.43 v1(133.22,46.72) ; J1.2 v1(128.72,46.22)
unconnected-(D12-Pad2): length 2.1
  Top w0.25: v1(97.22,13.22) 96.35,13.22 arc(96.27,13.24) 96.2,13.29
  Bottom w0.25: 96.2,13.29 97.07,13.29 arc(97.16,13.27) v1(97.22,13.22)
unconnected-(SW24-C-Pad3): length 0.6
  Bottom w0.25: 137.6,44.11 137.47,43.97 137.07,43.97
unconnected-(SW24-C-Pad3)_0: length 0.4
  Top w0.25: 137.07,48.47 137.47,48.47

## Copper pours and planes (outline as drawn; the poured copper is in the pictures)
GND on Top, Bottom: 142.47,-2.03 -1.78,-2.03 -1.78,77.72 142.47,77.72

## Text on the board
B.Silkscreen: J46KXiao by MakerJake | J46KXiao
F.Silkscreen: J46KXiao by MakerJake | J46KXiao
